# Altium PCB PCB1.PcbDoc (part 2 of 3) (continued)
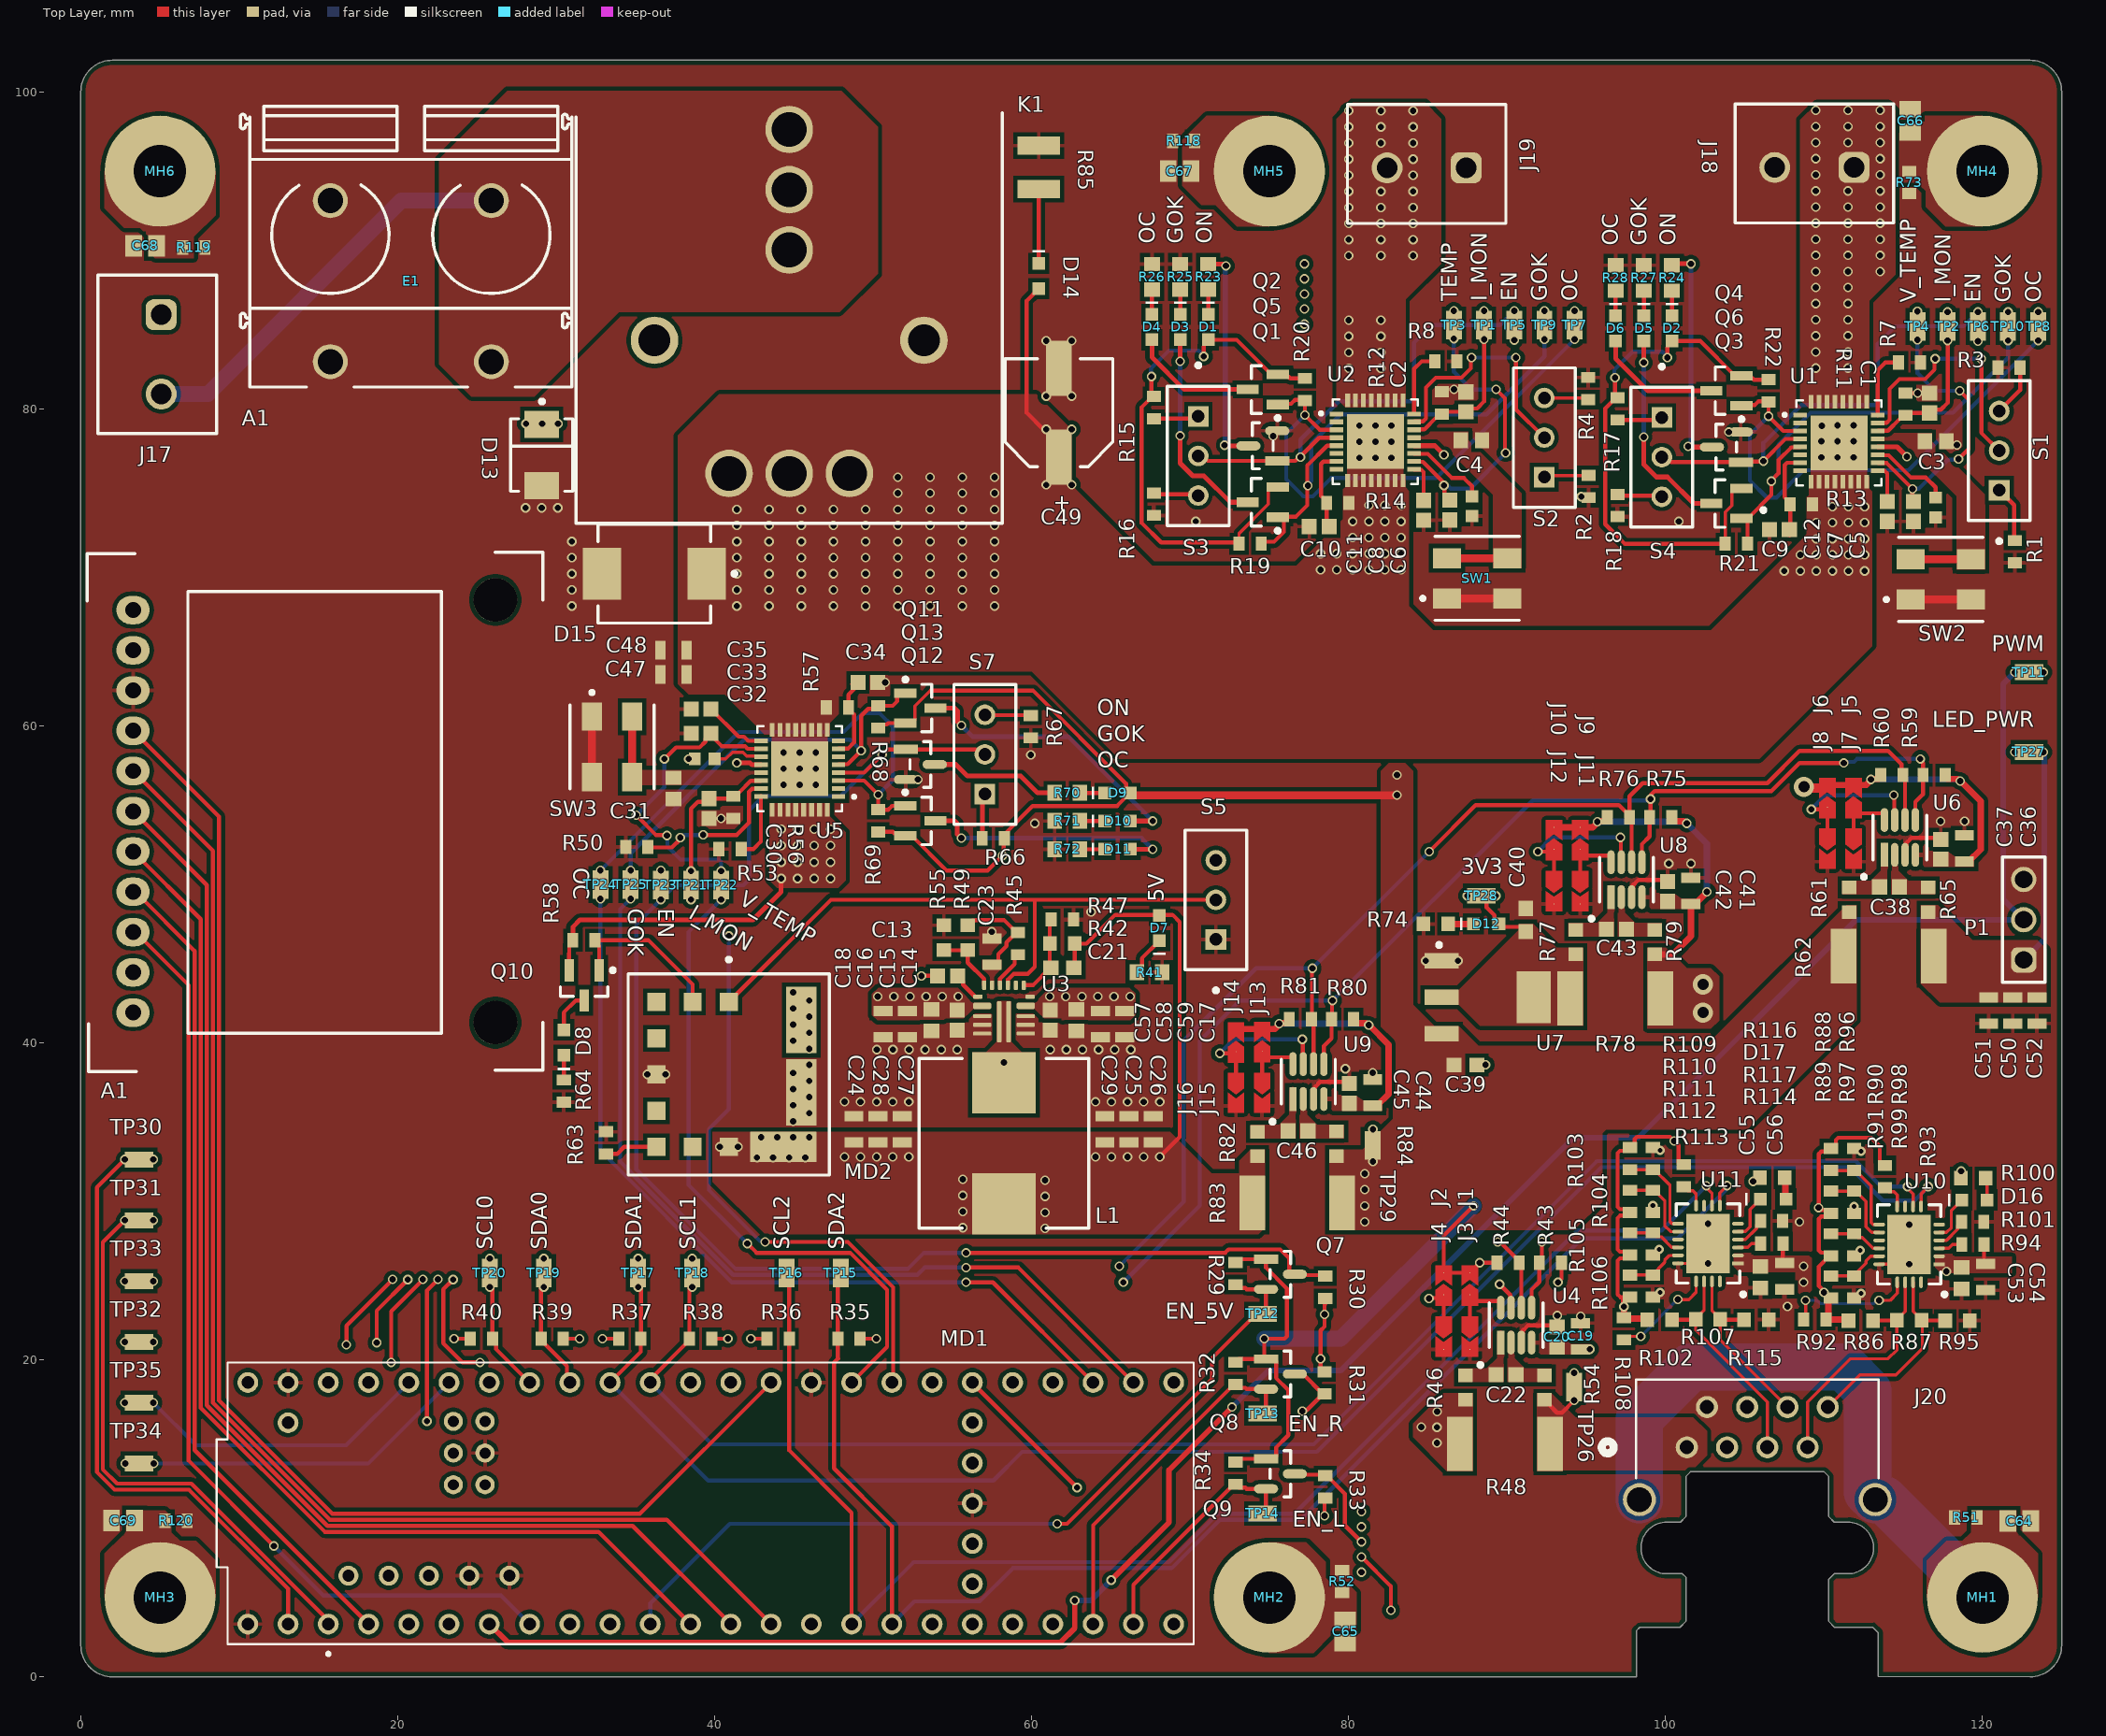
[diagram p0: Top Layer view]
## Part data (continued)
U10 U11: library part CMP-015-00011-1, "Interface Circuit, CMOS, PQCC20", Reach SVHC Compliant=Yes, RoHS Compliant=Yes, Throw Configuration="POWER SUPPLY SUPPORT CIRCUIT"

## Via types
v1: diameter 0.6, hole 0.4, Top Layer to Bottom Layer, tented both sides, 572 vias
v2: diameter 0.6, hole 0.3, Top Layer to Bottom Layer, 8 vias
v3: diameter 0.6, hole 0.4, Top Layer to Bottom Layer, 4 vias
v4: diameter 1.27, hole 0.711, Top Layer to Bottom Layer, tented both sides, 3 vias

## Nets (pads, with @x,y where several pads share a name; then routed paths per layer and width w, separated by ;. In a path a pad name is that pad's centre, name@x,y a point inside that pad or via, vN(x,y) a via of type N, cw(c..) or ccw(c..) an arc to the next point about the centre after c; other vN are vias at no path point)
5VREGEN: MD2.1 S5.2 U3.15 | length 40
  Top Layer w0.254: MD2.1@40.894,42.578 47.338,49.022 60.198,49.022 ; U3.15@58.506,43.636 58.508,43.638 58.508,43.989 58.872,44.353 59.758,44.353 60.198,44.794 60.198,49.022 ; S5.2@71.628,49.022 60.198,49.022
+3v3: A1.1 C19.2 C20.2 C36.2 C37.2 C41.2 C42.2 C44.2 C45.2 C53.2 C54.2 C55.2 C56.2 J1.2 J2.2 J5.2 J6.2 J9.2 J10.2 J13.2 J14.2 Q7.1 Q8.1 Q9.1 R29.2 R32.2 R34.2 R35.2 R36.2 R37.2 R38.2 R39.2 R40.2 R43.1 R44.1 R59.1 R60.1 R75.1 R76.1 R78.1 R79.1 R80.1 R81.1 R86.2 R88.2 R89.2 R90.2 R91.2 R92.1 R93.1 R94.1 R100.2 R102.2 R103.2 R104.2 R105.2 R106.2 R108.1 R113.1 R114.1 R116.2 U4.4 U6.4 U8.4 U9.4 U10.1 U10.2 U11.1 U11.2 | length 327.5
  Top Layer w0.2: R106.2@97.718,23.985 R106.2@97.752,23.951
  Top Layer w0.245: v1(23.55,21.336) R40.2@24.58,21.336 ; R39.2@30.445,21.336 v1(31.475,21.336) ; v1(32.915,21.336) R37.2@33.944,21.336 ; R38.2@39.81,21.336 v1(40.839,21.336) ; v1(42.28,21.336) R36.2@43.309,21.336 ; R35.2@49.175,21.336 v1(50.204,21.336) ; v1(74.676,21.336) 74.676,20.169 Q8.1@74.791,20.054
  Top Layer w0.254: R34.2@72.861,13.548 73.07,13.758 Q9.1@74.791,13.758 75.264,13.758 75.426,13.92 75.426,14.466 76.2,15.24 76.2,18.089 75.426,18.863 75.426,19.892 75.264,20.054 Q8.1@74.791,20.054 73.07,20.054 R32.2@72.861,19.844 ; R29.2@72.861,26.141 73.07,26.35 Q7.1@74.791,26.35 74.791,25.81 76.108,24.493 76.108,21.485 75.959,21.336 v1(74.676,21.336) ; v1(87.884,29.718) 86.003,27.837 J2.2@86.003,25.497 J1.2@87.654,25.497 v1(88.281,26.124) R44.1@89.367,26.124 ; v1(93.218,24.892) 93.434,25.108 R43.1@93.434,26.124 ; R106.2@97.477,23.999 97.618,23.858 97.718,23.858 R106.2@97.718,23.985 ; R106.2@97.752,23.951 97.152,23.951 96.975,24.128 96.975,26.26 97.125,26.41 97.548,26.41 R105.2@97.752,26.613 97.549,26.816 97.124,26.816 96.975,26.965 96.975,28.947 97.124,29.096 97.549,29.096 R104.2@97.752,29.298 97.549,29.501 97.124,29.501 96.975,29.65 96.975,33.045 97.124,33.194 97.429,33.194 97.429,33.373 R103.2@97.602,33.546 ; R103.2@97.752,33.396 R103.2@97.602,33.546 ; R113.1@101.154,32.318 101.154,32.253 101.054,32.253 100.831,32.476 100.831,33.522 100.28,34.073 98.203,34.073 98.055,33.924 98.055,33.619 98.034,33.599 97.549,33.599 R103.2@97.602,33.546 ; R114.1@107.408,27.333 107.408,26.2 C56.2@107.511,26.098 ; R91.2@110.445,23.895 110.345,23.895 v1(109.995,24.245) 109.995,24.338 109.668,24.665 109.668,25.88 110.345,26.557 R90.2@110.445,26.557 110.242,26.76 109.817,26.76 109.668,26.908 109.668,28.891 109.817,29.039 110.242,29.039 R89.2@110.445,29.242 110.242,29.445 109.817,29.445 109.668,29.593 109.668,32.988 109.817,33.137 110.122,33.137 110.295,33.31 R88.2@110.295,33.49 ; R88.2@110.445,33.34 R88.2@110.295,33.49 ; R93.1@113.847,32.262 113.847,32.197 113.747,32.197 113.524,32.42 113.524,33.466 112.973,34.017 110.896,34.017 110.747,33.868 110.747,33.563 110.727,33.542 110.242,33.542 R88.2@110.295,33.49 ; R94.1@120.101,27.277 120.101,26.144 C54.2@120.204,26.042
  Top Layer w0.4: 72.891,40.868 J13.2@74.542,40.868 75.333,40.868 75.71,41.245 76.105,41.245 76.255,41.395 R81.1@76.255,41.495 ; R80.1@80.322,41.495 80.322,41.395 80.472,41.245 81.087,41.245 81.218,41.114 v1(81.273,41.114) 81.303,41.114 82.526,39.891 82.526,36.761 81.8,36.034 C44.2@81.527,36.034 ; J10.2@92.964,53.602 J9.2@94.615,53.602 95.407,53.602 95.784,53.979 96.178,53.979 96.328,54.129 R76.1@96.328,54.229 ; R108.1@97.371,22.657 v1(97.371,23.351) R106.2@97.371,23.858 ; R108.1@97.431,22.597 98.792,22.597 R102.2@98.852,22.536 ; R79.1@99.314,45.578 100.442,45.578 101.6,46.736 C41.2@101.6,48.768 101.873,48.768 v1@102.616,49.511 ; R75.1@100.395,54.229 100.395,54.129 100.545,53.979 101.161,53.979 101.292,53.848 v1(101.346,53.848) ; v4(108.738,56.16) v4@108.82,56.077 ; 110.034,56.077 J6.2@110.217,56.261 110.217,56.269 J5.2@111.868,56.269 112.66,56.269 113.037,56.646 113.431,56.646 113.581,56.796 R60.1@113.581,56.896 ; R92.1@110.064,22.601 110.085,22.601 110.274,22.79 110.274,23.745 110.424,23.895 R91.2@110.445,23.895 ; R92.1@110.124,22.54 111.485,22.54 R86.2@111.545,22.48 ; R59.1@117.648,56.896 117.648,56.796 117.798,56.646 118.414,56.646 118.545,56.515 v1(118.599,56.515) 118.629,56.515 119.888,55.256 119.888,52.196 119.127,51.435 C36.2@118.853,51.435
  Top Layer w0.6: v4@108.82,56.077 110.034,56.077
  Layer 2 w0.254: v1(88.281,26.124) 90.317,26.124 91.549,24.892 v1(93.218,24.892)
  Layer 2 w1: A1.1@3.302,67.31 3.452,67.31 12.159,58.603 12.159,29.829 20.652,21.336 v1(40.839,21.336) v1(50.204,21.336) v1(74.676,21.336) ; v1(81.273,41.114) 83.846,43.688 v4(102.362,43.688) 102.362,45.085 104.648,47.371 104.648,52.07 v4@108.712,56.134 ; v1(87.884,29.718) 97.983,39.817 97.983,41.209 98.684,41.91 v4(102.362,41.91)
  Bottom Layer w0.4: v1(75.627,41.218) 81.115,41.218 81.218,41.114 v1(81.273,41.114) ; v1(95.7,53.951) 101.188,53.951 101.292,53.848 v1(101.346,53.848) 102.616,52.578 v1@102.616,49.511 ; v1(112.953,56.618) 118.442,56.618 118.545,56.515 v1(118.599,56.515)
  Bottom Layer w1: v1(74.676,21.336) 79.502,21.336 v1(87.884,29.718)
  other v1: 95.224,20.668 108.712,24.892 117.73,25.578 108.712,25.908 109.654,29.599 105.525,31.257 118.65,31.908 100.542,33.803 102.616,49.53
+3V3_R: C40.2 D12.2 R77.1 R78.2 TP28.1 U7.2 U7.4 | length 4.1
  Top Layer w0.254: TP28.1@88.392,49.276 88.702,48.966 88.702,48.546 89.211,48.037 89.211,47.771 89.67,47.312 90.899,47.312 C40.2@91.186,47.025
  other v1: 87.492,49.276 89.292,49.276
+5V: C39.2 D1.2 D2.2 D9.2 MD1.VIN Q1.2 Q2.2 Q3.2 Q4.2 Q11.2 Q12.2 R15.2 R17.2 R19.2 R20.2 R21.2 R22.2 R30.2 R31.2 R33.2 R61.1 R62.2 R66.2 R68.2 R69.2 R83.1 R84.1 TP29.1 U7.3 | length 141.5
  Top Layer w0.2: Q11.2@52.036,60.17 52.436,60.17 52.636,60.37 52.636,61.246 53.62,62.23 ; R19.2@73.087,71.501 73.087,72.142 74.931,73.986 74.931,74.861 75.131,75.061 Q1.2@75.531,75.061 ; R21.2@103.77,71.493 103.77,73.492 104.185,73.907 104.185,74.783 104.385,74.983 Q3.2@104.785,74.983
  Top Layer w0.254: R69.2@50.319,53.308 51.248,53.308 51.367,53.19 51.905,53.19 52.036,53.058 52.436,53.058 54.623,50.871 57.221,50.871 v1(58.166,51.816) 58.232,51.882 58.232,52.75 58.323,52.842 58.43,52.842 58.43,53.305 60.07,54.945 65.397,54.945 D9.2@66.224,55.772 ; R68.2@50.325,59.864 50.548,60.087 50.872,60.087 50.955,60.17 Q11.2@52.036,60.17 ; 53.62,62.23 60.087,62.23 65.969,56.348 65.969,56.045 D9.2@66.082,55.932 ; v1(67.564,82.042) 67.564,80.839 67.623,80.78 66.946,80.103 66.946,72.799 68.173,71.571 73.017,71.571 R19.2@73.087,71.501 ; v1(70.866,83.312) 70.866,83.939 70.879,83.951 70.879,84.087 D1.2@71.152,84.36 72.944,84.36 75.131,82.173 Q2.2@75.531,82.173 75.662,82.042 76.2,82.042 76.319,81.923 R20.2@77.248,81.923 ; v1(78.486,10.16) 78.486,11.246 R33.2@78.525,11.285 ; R31.2@78.486,19.242 78.455,19.242 78.232,19.465 v1(78.232,20.066) 78.232,21.844 78.486,22.098 v1(78.486,22.86) 78.486,23.488 78.525,23.527 R30.2@78.525,23.877 ; R83.1@79.604,30.048 R83.1@79.604,29.903 79.604,29.87 R83.1@79.756,29.718 ; v1(96.818,81.964) 96.818,80.761 96.877,80.702 96.2,80.025 96.2,72.721 97.428,71.493 R21.2@103.77,71.493 ; v1(100.12,83.234) 100.12,83.86 100.133,83.873 100.133,84.009 D2.2@100.406,84.282 102.198,84.282 104.385,82.095 104.785,82.095 104.789,82.091 104.917,81.964 105.454,81.964 105.573,81.845 R22.2@106.502,81.845
  Top Layer w0.5: D9.2@66.224,55.772 66.37,55.626 v1(83.058,55.626)
  Layer 2 w0.254: v1(78.232,20.066) 78.232,10.482 78.486,10.228 v1(78.486,10.16)
  Bottom Layer w0.254: v1(67.564,82.042) 67.52,82.086 67.52,82.541 68.662,83.682 70.544,83.682 70.866,83.361 v1(70.866,83.312) ; v1(96.818,81.964) 96.775,82.007 96.775,82.462 97.916,83.604 99.799,83.604 100.12,83.282 v1(100.12,83.234)
  other v1: 81.026,28.702 81.026,29.718 81.026,30.734 81.026,31.75 81.534,32.512 81.534,34.544 83.058,56.896
+5V_R: C21.2 C24.2 C25.2 C26.2 C27.2 C28.2 C29.2 D7.2 L1.2 MD2.4 MD2.5 R42.2 R82.1 R83.2 | length 24.5
  Top Layer w0.254: C21.2@62.666,44.734 62.739,44.734 62.715,44.758 R42.2@62.715,46.258 63.463,46.258 65.279,48.074 66.257,48.074 68.072,48.074 68.893,48.074 69.342,47.625 69.342,34.063 v1(68.09,32.811)
  other v1: 60.851,28.286 55.66,28.336 60.851,29.302 55.66,29.352 60.851,30.318 55.661,30.368 60.851,31.334 55.661,31.384 42.672,32.766 43.688,32.766 44.704,32.766 45.72,32.766 48.19,32.811 49.206,32.811 50.222,32.811 51.238,32.811 52.254,32.811 64.026,32.811 65.042,32.811 66.058,32.811 67.074,32.811 40.323,33.434 41.466,33.434 42.926,34.036 43.942,34.036 44.958,34.036 45.974,34.036
+12V0: C14.2 C15.2 C16.2 C17.2 C18.2 C57.2 C58.2 C59.2 MD2.2 Q10.2 R46.1 R48.2 R58.2 U3.2 U3.11 U5.25 U5.26 U5.27 U5.28 U5.29 U5.30 U5.31 U5.32 | length 17.7
  Top Layer w0.254: Q10.2@30.817,44.576 30.817,45.657 30.827,45.667 30.827,46.259 R58.2@31.05,46.482
  Top Layer w0.3: R58.2@31.05,46.482 31.05,47.306 31.496,47.752 42.418,47.752 44.196,49.53 v1(44.196,50.364)
  other v1: 85.575,14.752 84.591,15.75 85.582,15.743 85.589,16.735 45.974,39.624 44.958,40.132 45.974,40.64 44.958,41.148 45.974,41.656 44.958,42.164 45.974,42.672 50.292,42.926 51.308,42.926 52.324,42.926 53.34,42.926 54.356,42.926 55.372,42.926 61.139,42.926 62.155,42.926 63.171,42.926 64.187,42.926 65.203,42.926 66.219,42.926 44.958,43.18 45.234,50.364 46.272,50.364 47.31,50.364 44.196,51.402 45.234,51.402 46.272,51.402 47.31,51.402 44.196,52.44 45.234,52.44 46.272,52.44 47.31,52.44 44.196,53.478 45.234,53.478 46.272,53.478 47.31,53.478
A1_0: R88.1 R96.2 U10.11 | length 5.8
  Top Layer w0.2: R88.1@110.445,31.94 R96.2@111.896,31.94 111.996,31.94 112.973,30.963 112.973,28.659 113.09,28.542 113.475,28.542 U10.11@113.483,28.533
A1_1: R103.1 R109.2 U11.11 | length 5.8
  Top Layer w0.2: R103.1@97.752,31.996 R109.2@99.203,31.996 99.303,31.996 100.28,31.019 100.28,28.715 100.397,28.598 100.782,28.598 U11.11@100.79,28.59
A2_0: R89.1 R97.2 U10.12 | length 5
  Top Layer w0.2: R89.1@110.445,30.642 R97.2@111.896,30.642 ; R97.2@111.896,30.642 111.996,30.642 112.646,29.992 112.646,28.405 113.018,28.033 U10.12@113.483,28.033
A2_1: R104.1 R110.2 U11.12 | length 5
  Top Layer w0.2: R104.1@97.752,30.698 R110.2@99.203,30.698 99.303,30.698 99.953,30.048 99.953,28.461 100.325,28.09 U11.12@100.79,28.09
ARM_L: J18.1 U1.25 U1.26 U1.27 U1.28 U1.29 U1.30 U1.31 U1.32
  other v1: 109.478,82.575 111.51,82.575 109.478,83.591 111.51,83.591 109.478,84.607 111.51,84.607 109.478,85.623 111.51,85.623 109.478,86.639 111.51,86.639 109.478,87.655 111.51,87.655 109.478,88.671 111.51,88.671 113.542,88.671 109.478,89.687 111.51,89.687 113.542,89.687 109.478,90.703 111.51,90.703 113.542,90.703 109.478,91.719 111.51,91.719 113.542,91.719 109.478,92.735 111.51,92.735 113.542,92.735 109.478,93.751 111.51,93.751 113.542,93.751 109.478,94.767 113.542,94.767 109.478,95.783 113.542,95.783 109.478,96.799 111.51,96.799 113.542,96.799 109.478,97.815 111.51,97.815 113.542,97.815 109.478,98.831 111.51,98.831 113.542,98.831
ARM_L_int: C47.2 C48.2 C49.1 D14.2 D15.1 K1.87 R13.2 R14.2 R57.2 U1.9 U1.10 U1.11 U1.12 U1.13 U1.14 U1.15 U1.16 U1.33 U2.9 U2.10 U2.11 U2.12 U2.13 U2.14 U2.15 U2.16 U2.33 U5.9 U5.10 U5.11 U5.12 U5.13 U5.14 U5.15 U5.16 U5.33 | length 9.8
  Top Layer w0.254: D14.2@60.452,87.584 59.69,86.822 59.69,79.756 60.706,78.74 60.888,78.74 v1(60.922,78.706)
  other v1: 44.35,56.286 45.366,56.286 46.382,56.286 44.35,57.302 45.366,57.302 46.382,57.302 44.35,58.318 45.366,58.318 46.382,58.318 41.402,67.564 43.434,67.564 45.466,67.564 47.498,67.564 49.53,67.564 51.562,67.564 53.594,67.564 55.626,67.564 57.658,67.564 41.402,68.58 43.434,68.58 45.466,68.58 47.498,68.58 49.53,68.58 51.562,68.58 53.594,68.58 55.626,68.58 57.658,68.58 41.402,69.596 43.434,69.596 45.466,69.596 47.498,69.596 49.53,69.596 51.562,69.596 53.594,69.596 55.626,69.596 57.658,69.596 107.486,69.772 108.502,69.772 109.518,69.772 110.534,69.772 111.55,69.772 112.566,69.772 78.232,69.85 79.248,69.85 80.264,69.85 81.28,69.85 82.296,69.85 83.312,69.85 41.402,70.612 43.434,70.612 45.466,70.612 47.498,70.612 49.53,70.612 51.562,70.612 53.594,70.612 55.626,70.612 57.658,70.612 108.502,70.788 109.518,70.788 110.534,70.788 111.55,70.788 112.566,70.788 78.232,70.866 79.248,70.866 80.264,70.866 81.28,70.866 82.296,70.866 83.312,70.866 41.402,71.628 43.434,71.628 45.466,71.628 47.498,71.628 49.53,71.628 51.562,71.628 53.594,71.628 55.626,71.628 57.658,71.628 109.518,71.804 110.534,71.804 111.55,71.804 112.566,71.804 80.264,71.882 81.28,71.882 82.296,71.882 83.312,71.882 41.402,72.644 43.434,72.644 45.466,72.644 47.498,72.644 49.53,72.644 51.562,72.644 53.594,72.644 55.626,72.644 57.658,72.644 109.518,72.82 110.534,72.82 111.55,72.82 112.566,72.82 80.264,72.898 81.28,72.898 82.296,72.898 83.312,72.898 41.402,73.66 43.434,73.66 45.466,73.66 47.498,73.66 49.53,73.66 51.562,73.66 53.594,73.66 55.626,73.66 57.658,73.66 110.534,73.836 111.55,73.836 112.566,73.836 81.28,73.914 82.296,73.914 83.312,73.914 51.562,74.676 53.594,74.676 55.626,74.676 57.658,74.676 60.922,75.206 62.522,75.206 51.562,75.692 53.594,75.692 55.626,75.692 57.658,75.692 80.677,76.913 81.693,76.913 82.709,76.913 109.831,76.935 110.847,76.935 111.863,76.935 80.677,77.929 81.693,77.929 82.709,77.929 109.831,77.951 110.847,77.951 111.863,77.951 62.522,78.706 109.869,78.93 80.677,78.945 81.693,78.945 82.709,78.945 110.847,78.967 111.863,78.967
ARM_R: J19.2 U2.25 U2.26 U2.27 U2.28 U2.29 U2.30 U2.31 U2.32
  other v1: 80.01,82.55 82.042,82.55 80.01,83.566 82.042,83.566 80.01,84.582 82.042,84.582 80.01,85.598 82.042,85.598 80.01,89.662 82.042,89.662 84.074,89.662 80.01,90.678 82.042,90.678 84.074,90.678 80.01,91.694 82.042,91.694 84.074,91.694 80.01,92.71 82.042,92.71 84.074,92.71 80.01,93.726 82.042,93.726 84.074,93.726 80.01,94.742 84.074,94.742 80.01,95.758 84.074,95.758 80.01,96.774 82.042,96.774 84.074,96.774 80.01,97.79 82.042,97.79 84.074,97.79 80.01,98.806 82.042,98.806 84.074,98.806
CHASSIS: C64.2 C65.2 C66.2 C67.2 C68.2 C69.2 J20.9 J20.10 MH1.1 MH2.1 MH3.1 MH4.1 MH5.1 MH6.1 R51.2 R52.2 R73.2 R118.2 R119.2 R120.2 | length 38
  Bottom Layer w3: J20.9@98.349,11.176 98.349,16.327 101.569,19.546 111.283,19.546 112.764,18.065 112.764,11.645 J20.10@113.233,11.176 113.792,11.176 120,4.968 MH1.1@120,5
CS: A1.7 MD1.10 | length 73.4
  Top Layer w0.254: A1.7@3.302,52.07 7.574,47.798 7.574,16.972 15.402,9.144 32.664,9.144 MD1.10@38.481,3.327
DC: A1.9 MD1.6 | length 60.7
  Top Layer w0.254: A1.9@3.302,46.99 3.452,46.99 6.812,43.63 6.812,13.635 v1(12.192,8.255)
  Bottom Layer w0.254: v1(12.192,8.255) 15.317,5.13 26.518,5.13 MD1.6@28.321,3.327
EN_5V: Q7.3 Q13.1 R30.1 S7.2 TP23.1 U5.4 | length 95.7
  Top Layer w0.254: U5.4@47.811,57.052 49.426,57.052 v1(50.573,58.199) 50.61,58.199 50.925,58.514 Q13.1@52.068,58.514 56.452,58.514 56.767,58.199 S7.2@57.05,58.199 ; v1(55.867,26.751) 72.209,26.751 72.424,26.966 75.689,26.966 76.265,26.389 76.265,25.55 76.415,25.4 Q7.3@76.612,25.4 76.673,25.338 78.463,25.338 R30.1@78.525,25.277
  Bottom Layer w0.254: v1(50.573,58.199) 47.951,55.577 43.075,55.577 42.164,54.666 42.164,50.298 41.81,49.944 37.503,49.944 v1(36.603,49.044) 35.052,47.493 35.052,32.004 41.321,25.735 52.187,25.735 53.203,26.751 v1(55.867,26.751)
  other v1: 36.603,50.885
EN_ARM_L: Q6.1 Q9.3 R33.1 S4.2 TP6.1 U1.4 | length 149
  Top Layer w0.254: Q9.3@76.612,12.808 76.673,12.746 78.463,12.746 R33.1@78.525,12.685 78.625,12.685 79.771,11.539 79.771,9.545 80.802,8.514 v1(80.813,8.514) ; S4.2@99.771,76.954 100.054,76.954 100.369,76.639 Q6.1@104.753,76.639 104.788,76.674 106.138,76.674 v1(106.172,76.708) 107.565,78.101 U1.4@108.502,78.101
  Layer 2 w0.254: v1(80.813,8.514) 80.818,8.509 88.076,8.509 99.125,19.558 119.95,19.558 122.428,22.036 122.428,36.006 120.325,38.11 120.325,59.319 117.856,61.787 117.856,74.903 119.248,76.295 119.248,83.806 v1(119.71,84.268)
  Bottom Layer w0.254: v1(106.172,76.708) 106.172,77.846 108.572,80.246 113.243,80.246 113.392,80.395 113.392,84.098 114.503,85.209 118.81,85.209 v1(119.71,86.109)
EN_ARM_R: Q5.1 Q8.3 R31.1 S3.2 TP5.1 U2.4 | length 219.5
  Top Layer w0.254: v1(19.592,19.837) 19.592,23.056 21.585,25.049 v1(21.585,25.07) ; S3.2@70.517,77.032 70.8,77.032 71.115,76.717 Q5.1@75.499,76.717 76.642,76.717 76.887,76.962 v1(76.962,76.962) 76.962,77.001 78.141,78.179 U2.4@79.248,78.179 ; Q8.3@76.612,19.104 77.124,19.104 R31.1@78.386,17.842 ; v1(77.089,16.764) 77.155,16.83 77.374,16.83 R31.1@78.386,17.842 ; R31.1@78.486,17.842 R31.1@78.386,17.842
  Layer 1 w0.254: v1(77.216,87.249) 88.452,87.249 89.514,86.187 90.356,86.187 90.406,86.137 v1(90.456,86.187)
  Layer 2 w0.254: v1(19.592,19.837) 19.59,19.835 19.59,18.107 20.241,17.456 25.724,17.456 28.512,14.668 73.409,14.668 75.505,16.764 v1(77.089,16.764) ; v1(21.585,25.07) 21.59,25.075 21.59,47.545 34.417,60.372 34.417,77.405 41.086,84.074 49.105,84.074 52.28,87.249 v1(77.216,87.249)
  Bottom Layer w0.254: v1(76.962,76.962) 76.962,78.064 79.38,80.482 83.989,80.482 84.138,80.631 84.138,84.176 85.249,85.287 89.556,85.287 v1(90.456,86.187)
  other v1: 90.456,84.346
GND: A1.3 C1.1 C2.1 C3.1 C4.1 C5.1 C6.1 C7.1 C8.1 C9.1 C10.1 C11.1 C12.1 C14.1 C15.1 C16.1 C17.1 C18.1 C19.1 C20.1 C23.1 C24.1 C25.1 C26.1 C27.1 C28.1 C29.1 C30.1 C31.1 C32.1 C33.1 C34.1 C35.1 C36.1 C37.1 C39.1 C40.1 C41.1 C42.1 C44.1 C45.1 C47.1 C48.1 C49.2 C50.1 C51.1 C52.1 C53.1 C54.1 C55.1 C56.1 C57.1 C58.1 C59.1 C64.1 C65.1 C66.1 C67.1 C68.1 C69.1 D13.2 D15.2 E1.A2 J3.2 J4.2 J7.2 J8.2 J11.2 J12.2 J15.2 J16.2 J18.2 J19.1 J20.2 K1.85 MD1.GND1 MD1.GND2 MD1.GND3 MD1.GND4 MD1.GND5 MD1.USB_GND1 MD1.USB_GND2 MD2.3 MD2.7 P1.3 Q5.2 Q6.2 Q13.2 R1.2 R2.2 R3.2 R4.2 R7.1 R8.1 R11.1 R12.1 R16.2 R18.2 R25.1 R26.1 R27.1 R28.1 R41.1 R47.1 R50.1 R51.1 R52.1 R53.1 R55.2 R56.1 R63.1 R64.2 R67.1 R71.1 R72.1 R73.1 R74.2 R85.1 R95.1 R96.1 R97.1 R98.1 R99.1 R101.1 R109.1 R110.1 R111.1 R112.1 R115.1 R117.1 R118.1 R119.1 R120.1 S5.1 SW1.1 SW1.4 SW2.1 SW2.4 SW3.1 SW3.4 U1.20 U2.20 U3.3 U3.4 U3.5 U3.8 U3.9 U3.10 U3.12 U4.3 U5.20 U6.3 U7.1 U8.3 U9.3 U10.16 U10.21 U11.16 U11.21 | length 36.1
  Top Layer w0.2: U11.16@100.79,26.09 100.798,26.081 101.423,26.081 U11.21@102.681,27.34 ; U10.16@113.483,26.033 113.491,26.025 114.115,26.025 U10.21@115.374,27.283
  Top Layer w0.254: U9.3@77.86,37.05 77.86,37.19 78.208,37.537 79.953,37.537 C45.1@80.053,37.437 ; U4.3@90.972,21.679 90.972,21.818 91.32,22.166 93.065,22.166 C20.1@93.166,22.065 ; U8.3@97.934,49.784 97.934,49.923 98.281,50.271 100.026,50.271 C42.1@100.127,50.17 ; R11.1@115.138,80.998 116.656,80.998 C1.1@116.662,80.992 ; U6.3@115.187,52.451 115.187,52.59 115.535,52.938 117.279,52.938 C37.1@117.38,52.837
  Top Layer w0.3: v1(41.402,57.658) 42.246,57.658 42.351,57.553 42.558,57.553 U5.20@42.921,57.552 ; U9.3@77.788,36.458 77.788,36.978 U9.3@77.86,37.05 ; U2.20@84.138,77.679 85.438,77.679 v1(86.016,77.101) ; U4.3@90.9,21.086 90.9,21.606 U4.3@90.972,21.679 ; U8.3@97.861,49.192 97.861,49.711 U8.3@97.934,49.784 ; U1.20@113.392,77.601 114.618,77.601 v1(115.234,76.986) ; U6.3@115.114,51.859 115.114,52.378 U6.3@115.187,52.451
  Top Layer w0.5: SW3.4@32.258,56.769 SW3.1@32.258,60.579 ; SW1.1@86.208,68.044 SW1.4@90.018,68.044 ; SW2.1@115.46,67.97 SW2.4@119.27,67.97
  other v1: 94.639,22.743 93.166,22.79 107.696,23.368 108.458,28.702 44.958,35.052 45.974,35.56 44.958,36.068 48.19,36.277 49.206,36.277 50.222,36.277 51.238,36.277 52.254,36.277 64.026,36.277 65.042,36.277 66.058,36.277 67.074,36.277 68.09,36.277 45.974,36.576 44.958,37.084 45.974,37.592 35.751,38.006 36.894,38.006 44.958,38.1 81.527,38.114 79.802,38.361 45.974,38.608 88.646,38.608 50.229,39.574 51.245,39.574 52.261,39.574 53.277,39.574 54.293,39.574 55.309,39.574 61.177,39.574 62.193,39.574 63.209,39.574 64.225,39.574 65.241,39.574 66.257,39.574 84.869,45.175 86.901,45.175 57.494,47.004 63.754,48.26 100.203,51.308 101.6,51.308 60.198,53.848 117.348,53.975 118.872,53.975 40.401,54.154 52.83,56.614 38.364,57.912 59.944,58.166 50.767,62.738 30.988,67.564 30.988,68.58 30.988,69.596 30.988,70.612 30.988,71.628 70.358,72.898 100.838,72.898 28.067,73.753 29.083,73.753 30.099,73.753 94.685,74.46 118.393,77.724 75.239,78.279 103.991,78.539 60.922,80.806 62.522,80.806 115.912,80.998 86.658,81.228 60.922,84.306 62.522,84.306
  other v2: 112.346,24.201 99.653,24.257 112.285,26.913 99.592,26.97 111.896,29.682 99.203,29.738 112.346,33.163 99.653,33.219
  other v3: 115.373,26.03 102.68,26.087 115.374,28.533 102.681,28.59
GOK_5V: MD1.34 Q11.1 R68.1 TP25.1 U5.5 | length 81.9
  Top Layer w0.254: U5.5@47.811,57.552 47.834,57.575 48.389,57.575 v1(49.243,58.429) ; v1@49.276,58.42 49.243,58.453 49.243,60.632 49.684,61.074 50.002,61.074 50.044,61.116 R68.1@50.044,61.433 ; R68.1@50.325,61.264 51.23,61.264 51.521,61.555 51.521,61.897 51.694,62.07 Q11.1@52.036,62.07 ; v1(55.867,25.821) 59.167,25.821 MD1.34@66.421,18.567
  Bottom Layer w0.254: v1(34.698,49.085) 34.044,48.431 34.044,32.504 34.671,31.877 34.671,31.846 41.163,25.354 52.786,25.354 53.254,25.821 v1(55.867,25.821) ; v1(34.698,50.885) 34.698,51.965 41.861,59.128 48.544,59.128 v1(49.243,58.429)
GOK_ARM_L: MD1.3 Q3.1 R21.1 TP10.1 U1.5 | length 211.1
  Top Layer w0.254: v1(80.818,7.556) 80.828,7.556 82.677,5.708 v1(82.677,4.191) ; R21.1@105.17,71.534 105.17,73.124 105.226,73.124 106.68,74.578 v1(106.68,75.438) 106.68,75.487 107.137,75.944 107.137,76.773 107.942,77.578 108.479,77.578 U1.5@108.502,77.601
  Layer 2 w0.254: MD1.3@20.701,3.327 23.601,0.427 79.675,0.427 82.677,3.429 v1(82.677,4.191) ; v1(80.818,7.556) 81.389,8.128 88.234,8.128 99.283,19.177 120.107,19.177 122.809,21.879 122.809,36.164 120.706,38.267 120.706,59.476 118.237,61.945 118.237,74.168 119.761,75.692 119.761,80.139 121.615,81.993 v1(121.615,84.309)
  Bottom Layer w0.254: v1(106.68,75.438) 106.68,75.487 107.137,75.944 107.137,77.736 109.157,79.756 118.141,79.756 121.615,83.23 v1(121.615,84.309)
  other v1: 121.615,86.109
GOK_ARM_R: MD1.33 Q1.1 R19.1 TP9.1 U2.5 | length 207.9
  Top Layer w0.254: v1(18.669,21.082) 18.669,23.096 v1(20.638,25.065) ; R19.1@74.487,71.501 74.598,71.612 75.295,71.612 75.916,72.233 75.916,73.202 76.679,73.202 77.396,73.919 77.396,76.431 78.643,77.678 U2.5@79.248,77.679 U2.5@79.248,77.679
  Layer 1 w0.254: v1@77.228,88.2 77.544,87.884 89.722,87.884 91.419,86.187 v1(92.361,86.187)
  Layer 2 w0.254: v1(18.669,21.082) 18.707,21.082 19.259,20.53 66.999,20.53 MD1.33@68.961,18.567 ; v1@20.639,25.065 20.639,25.088 21.209,25.657 21.209,47.703 34.036,60.53 34.036,77.562 40.929,84.455 48.947,84.455 52.122,87.63 76.563,87.63 77.135,88.201 v1(77.216,88.201)
  Bottom Layer w0.254: v1(77.432,75.162) 77.432,75.256 77.643,75.467 77.643,77.793 79.504,79.654 88.707,79.654 92.361,83.308 v1(92.361,84.387)
Imon_5V: C30.2 MD1.40 R56.2 TP21.1 U5.22 | length 50.2
  Top Layer w0.254: TP21.1@38.508,49.944 v1(38.508,50.844) 38.508,54.77 38.944,55.206 39.445,55.206 C30.2@39.651,55.412 41.175,55.412 R56.2@41.175,55.556 41.398,55.779 41.526,55.779 42.277,56.529 42.898,56.529 U5.22@42.921,56.552 ; v1(43.18,27.432) 48.405,27.432 51.266,24.571 51.266,18.652 MD1.40@51.181,18.567
  Layer 2 w0.254: v1(38.508,49.044) 38.547,49.044 40.855,46.736 v1(40.894,46.736)
  Bottom Layer w0.254: v1(40.894,46.736) 40.894,35.814 39.642,34.562 39.642,30.716 42.86,27.498 43.114,27.498 v1(43.18,27.432)
Imon_L: C1.2 MD1.27 R11.2 TP2.1 U1.22 | length 148.3
  Top Layer w0.254: U1.22@113.392,78.601 113.415,78.624 114.037,78.624 114.787,79.375 114.915,79.375 R11.2@115.138,79.598 115.138,79.742 C1.2@116.662,79.742 116.868,79.947 117.369,79.947 117.805,80.383 v1(117.805,84.309) TP2.1@117.805,85.209
  Layer 2 w0.254: MD1.27@56.261,3.327 56.327,3.394 57.296,3.394 63,9.098 80.433,9.098 80.797,9.461 v1(80.818,9.461) ; v1@80.83,9.46 81.4,8.89 87.919,8.89 98.968,19.939 119.792,19.939 122.047,22.194 122.047,35.849 119.944,37.952 119.944,59.161 117.475,61.63 117.475,79.647 117.805,79.977 v1(117.805,84.309)
  other v1: 117.805,86.109
Imon_R: C2.2 MD1.26 R12.2 TP1.1 U2.22 | length 175
  Top Layer w0.254: v1(21.844,16.129) 21.844,24.366 22.537,25.06 v1(22.537,25.07) ; U2.22@84.138,78.68 84.161,78.703 84.782,78.703 85.532,79.453 85.661,79.453 R12.2@85.884,79.676 85.884,79.82 C2.2@87.408,79.82 87.613,80.026 88.115,80.026 88.551,80.461 v1(88.551,84.387) TP1.1@88.551,85.287
  Layer 1 w0.254: v1(77.216,86.296) 77.297,86.296 77.869,86.868 87.091,86.868 87.771,86.187 v1(88.551,86.187)
  Layer 2 w0.254: v1(21.844,16.129) 21.844,12.284 23.072,11.056 45.992,11.056 53.619,3.429 53.721,3.429 MD1.26@53.721,3.327 ; v1(22.537,25.07) 22.537,25.151 21.971,25.717 21.971,47.388 34.798,60.215 34.798,77.247 41.244,83.693 49.263,83.693 52.438,86.868 76.634,86.868 77.204,86.298 v1@77.216,86.298
MISO: A1.5 MD1.12 | length 83
  Top Layer w0.254: A1.5@3.302,57.15 8.336,52.116 8.336,18.663 8.336,17.287 15.717,9.906 17.092,9.906 36.982,9.906 MD1.12@43.561,3.327
MOSI: A1.6 MD1.11 | length 78.2
  Top Layer w0.254: A1.6@3.302,54.61 7.955,49.957 7.955,18.505 7.955,17.13 15.559,9.525 16.935,9.525 34.823,9.525 MD1.11@41.021,3.327
NetC5_2: C5.2 U1.19 | length 5.1
  Top Layer w0.254: U1.19@113.392,77.101 113.415,77.078 113.811,77.078 114.081,77.078 115.492,75.667 116.426,75.667 117.043,75.049 C5.2@117.043,74.406
NetC6_2: C6.2 U2.19 | length 5.1
  Top Layer w0.254: U2.19@84.138,77.179 84.161,77.156 84.998,77.156 86.506,75.648 86.519,75.635 87.281,75.635 87.789,75.127 C6.2@87.789,74.484
NetC9_2: C9.2 R13.1 U1.7 | length 5.2
  Top Layer w0.254: C9.2@107.822,72.016 C9.2@107.973,72.167 ; C9.2@107.868,72.659 R13.1@107.868,73.975 107.868,74.075 107.518,74.425 107.518,76.452 107.667,76.601 U1.7@108.502,76.601
NetC10_2: C10.2 R14.1 U2.7 | length 5.2
  Top Layer w0.254: C10.2@78.772,72.577 78.764,72.587 78.614,72.737 R14.1@78.614,74.058 78.614,74.153 78.264,74.504 78.264,76.53 78.413,76.679 U2.7@79.248,76.679
NetC11_2: C11.2 U2.17 | length 2.5
  Top Layer w0.254: U2.17@84.138,76.179 84.161,76.156 84.592,76.156 84.741,76.007 C11.2@84.741,74.228
NetC12_2: C12.2 U1.17 | length 2.5
  Top Layer w0.254: U1.17@113.392,76.101 113.415,76.078 113.846,76.078 113.995,75.929 C12.2@113.995,74.15
NetC13_1: C13.1 L1.1 U3.6 U3.7 | length 11.9
  Top Layer w0.254: v1(53.049,44.226) C13.1@54.075,44.226 ; L1.1@58.256,37.485 v1(58.256,38.76)
  Layer 2 w0.254: v1(53.049,44.226) 56.358,44.226 58.256,42.328 v1(58.256,38.76)
NetC13_2: C13.2 U3.1 | length 1.9
  Top Layer w0.254: C13.2@55.325,44.226 55.673,43.878 55.673,43.673 56.053,43.293 56.435,42.911 U3.1@56.606,42.911
NetC21_1: C21.1 R42.1 R47.2 U3.13 | length 5.3
  Top Layer w0.254: U3.13@59.506,43.636 U3.13@59.506,43.636 60.091,43.636 61.189,44.734 C21.1@61.212,44.734 61.139,44.807 61.139,47.682 R47.2@61.239,47.782
NetC22_1: C22.1 R54.2 U4.2
NetC22_2: C22.2 R46.2 U4.1 | length 0
  Top Layer w0.254: R46.2@87.273,19.012 R46.2@87.273,19.027
NetC23_2: C23.2 R45.2 R49.1 U3.17 | length 6.3
  Top Layer w0.254: R49.1@55.97,47.416 56.272,47.718 56.414,47.718 56.447,47.752 58.251,47.752 59.045,46.958 58.42,46.334 58.42,46.115 57.894,45.589 57.894,45.123 57.695,44.924 C23.2@57.494,44.924
NetC32_2: C32.2 U5.19 | length 3.2
  Top Layer w0.2: C32.2@39.997,57.912 40.693,57.912 41.12,58.339 41.789,58.339 42.026,58.103 42.479,58.103 42.871,58.103 U5.19@42.921,58.053